# Altium PCB FMC_SDR_XFE.PcbDoc (part 1 of 4) (continued)
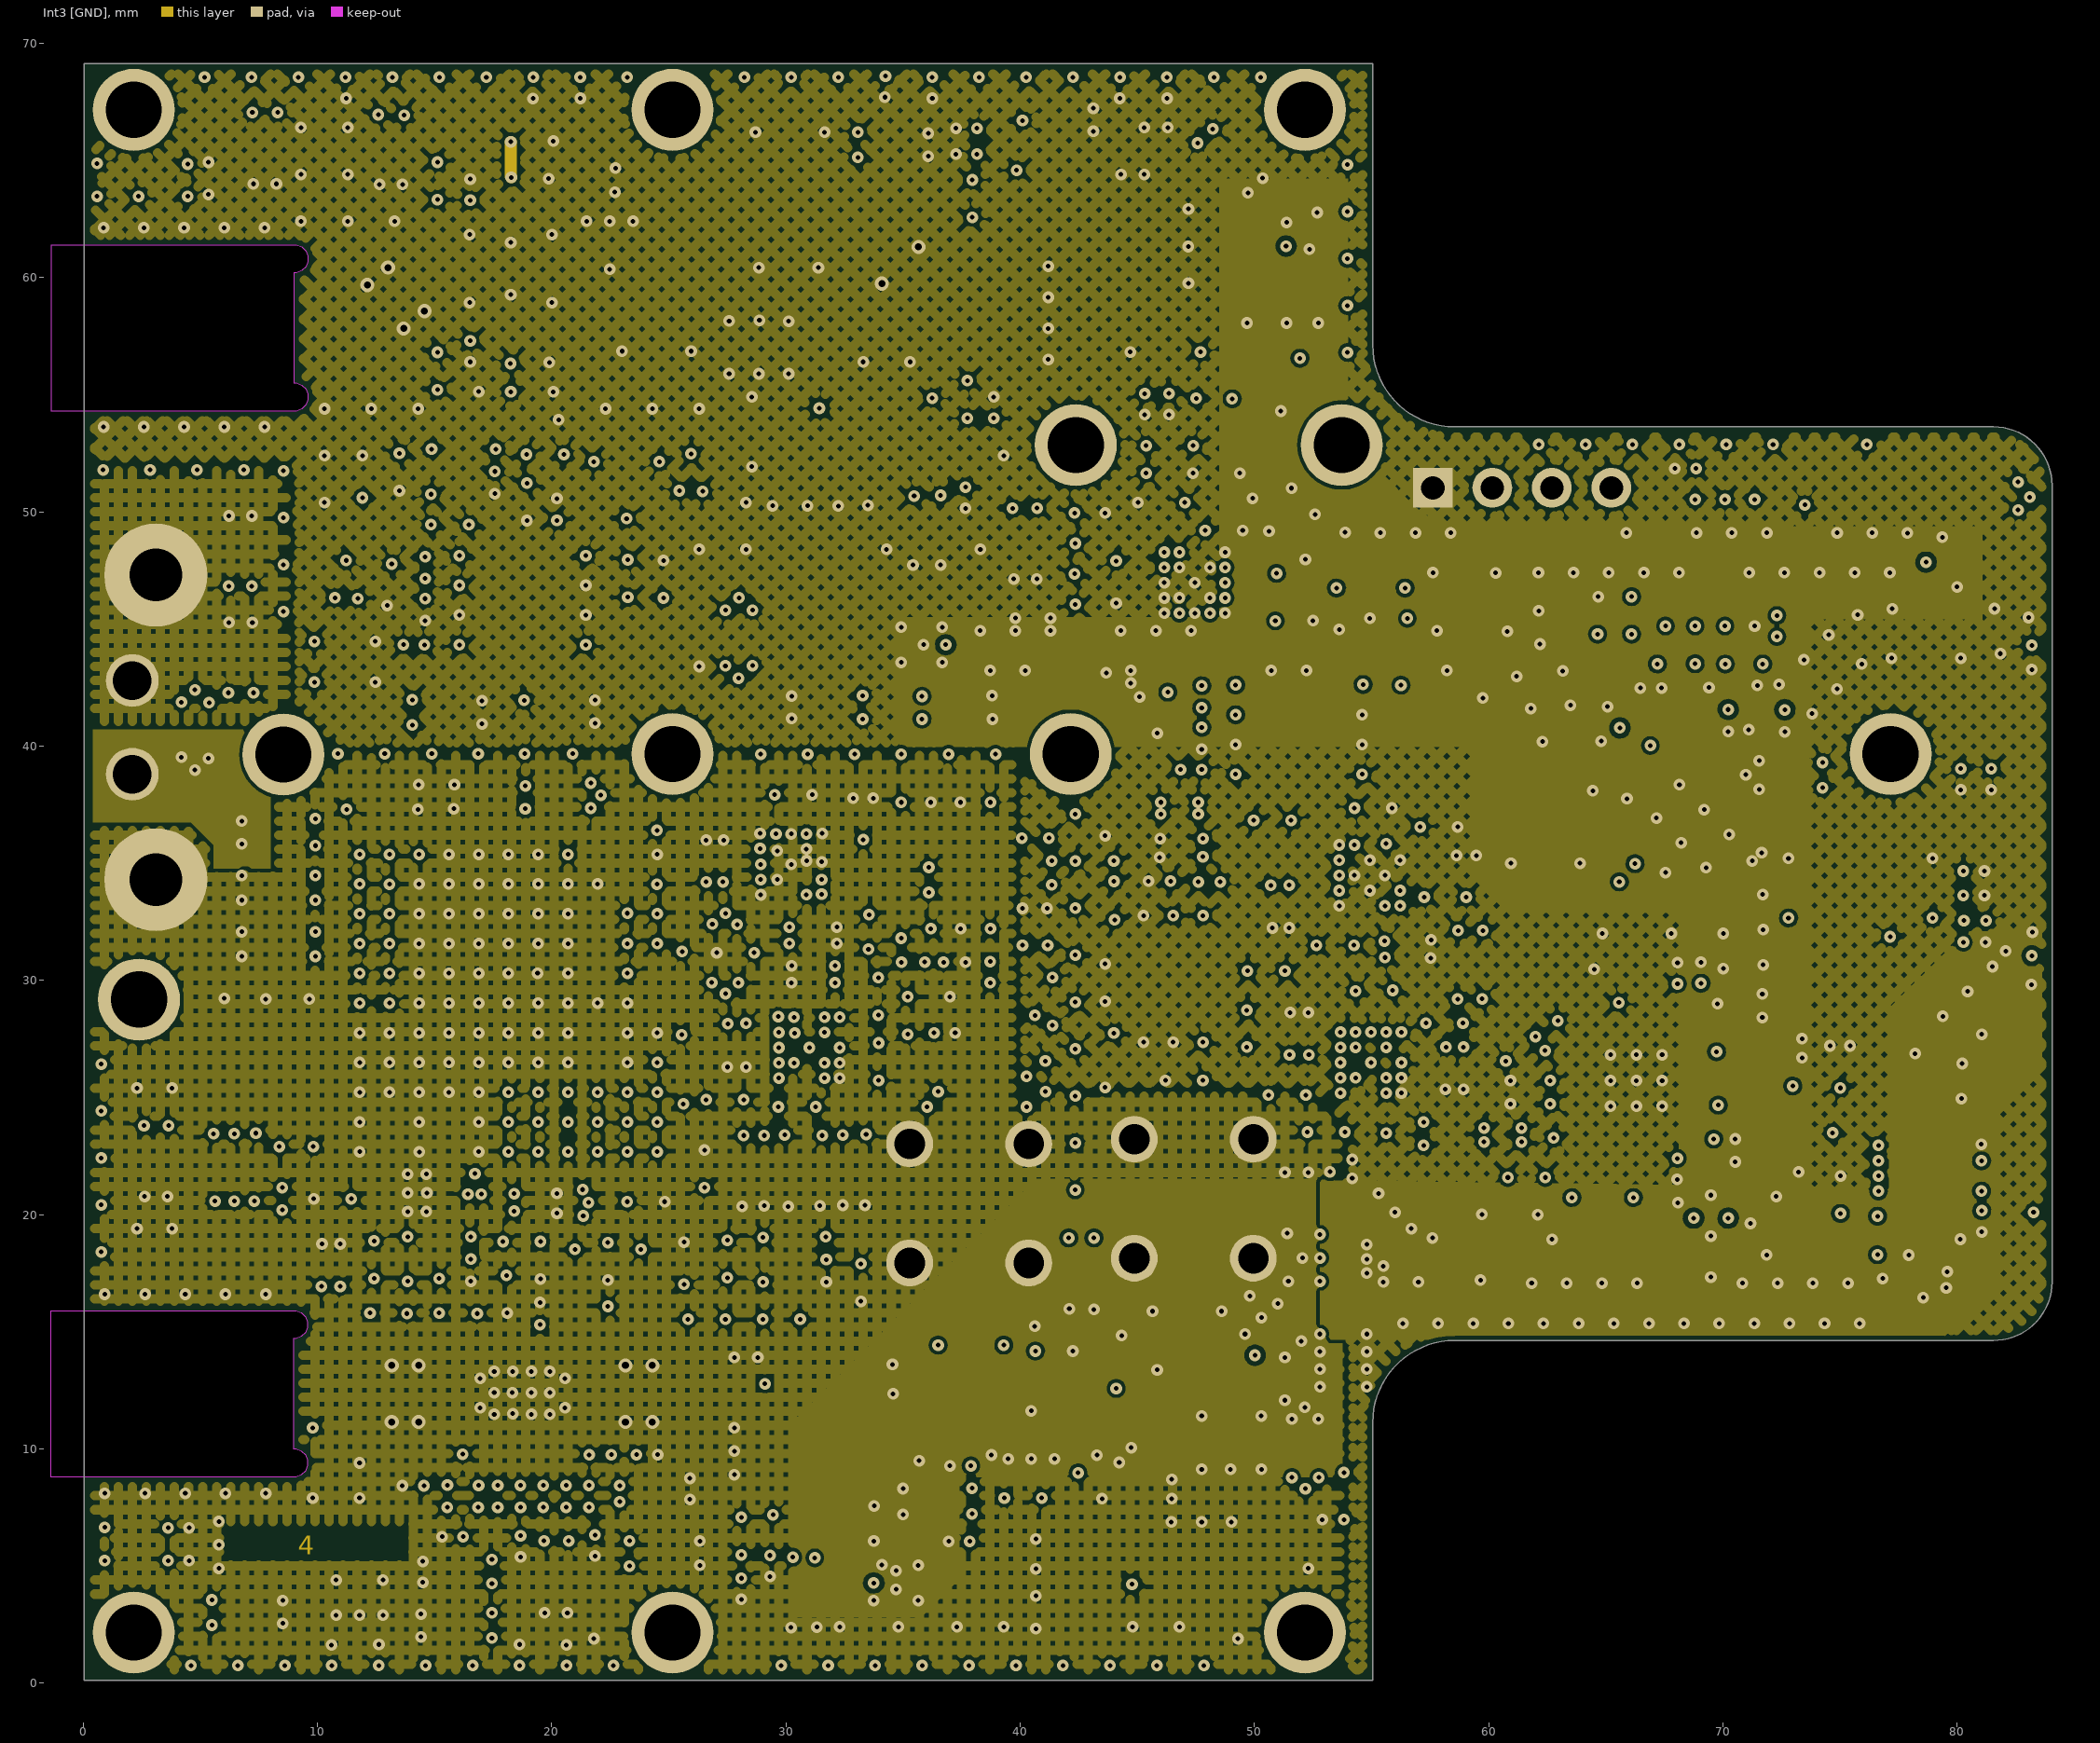
[diagram p4: Int3 [GND]]
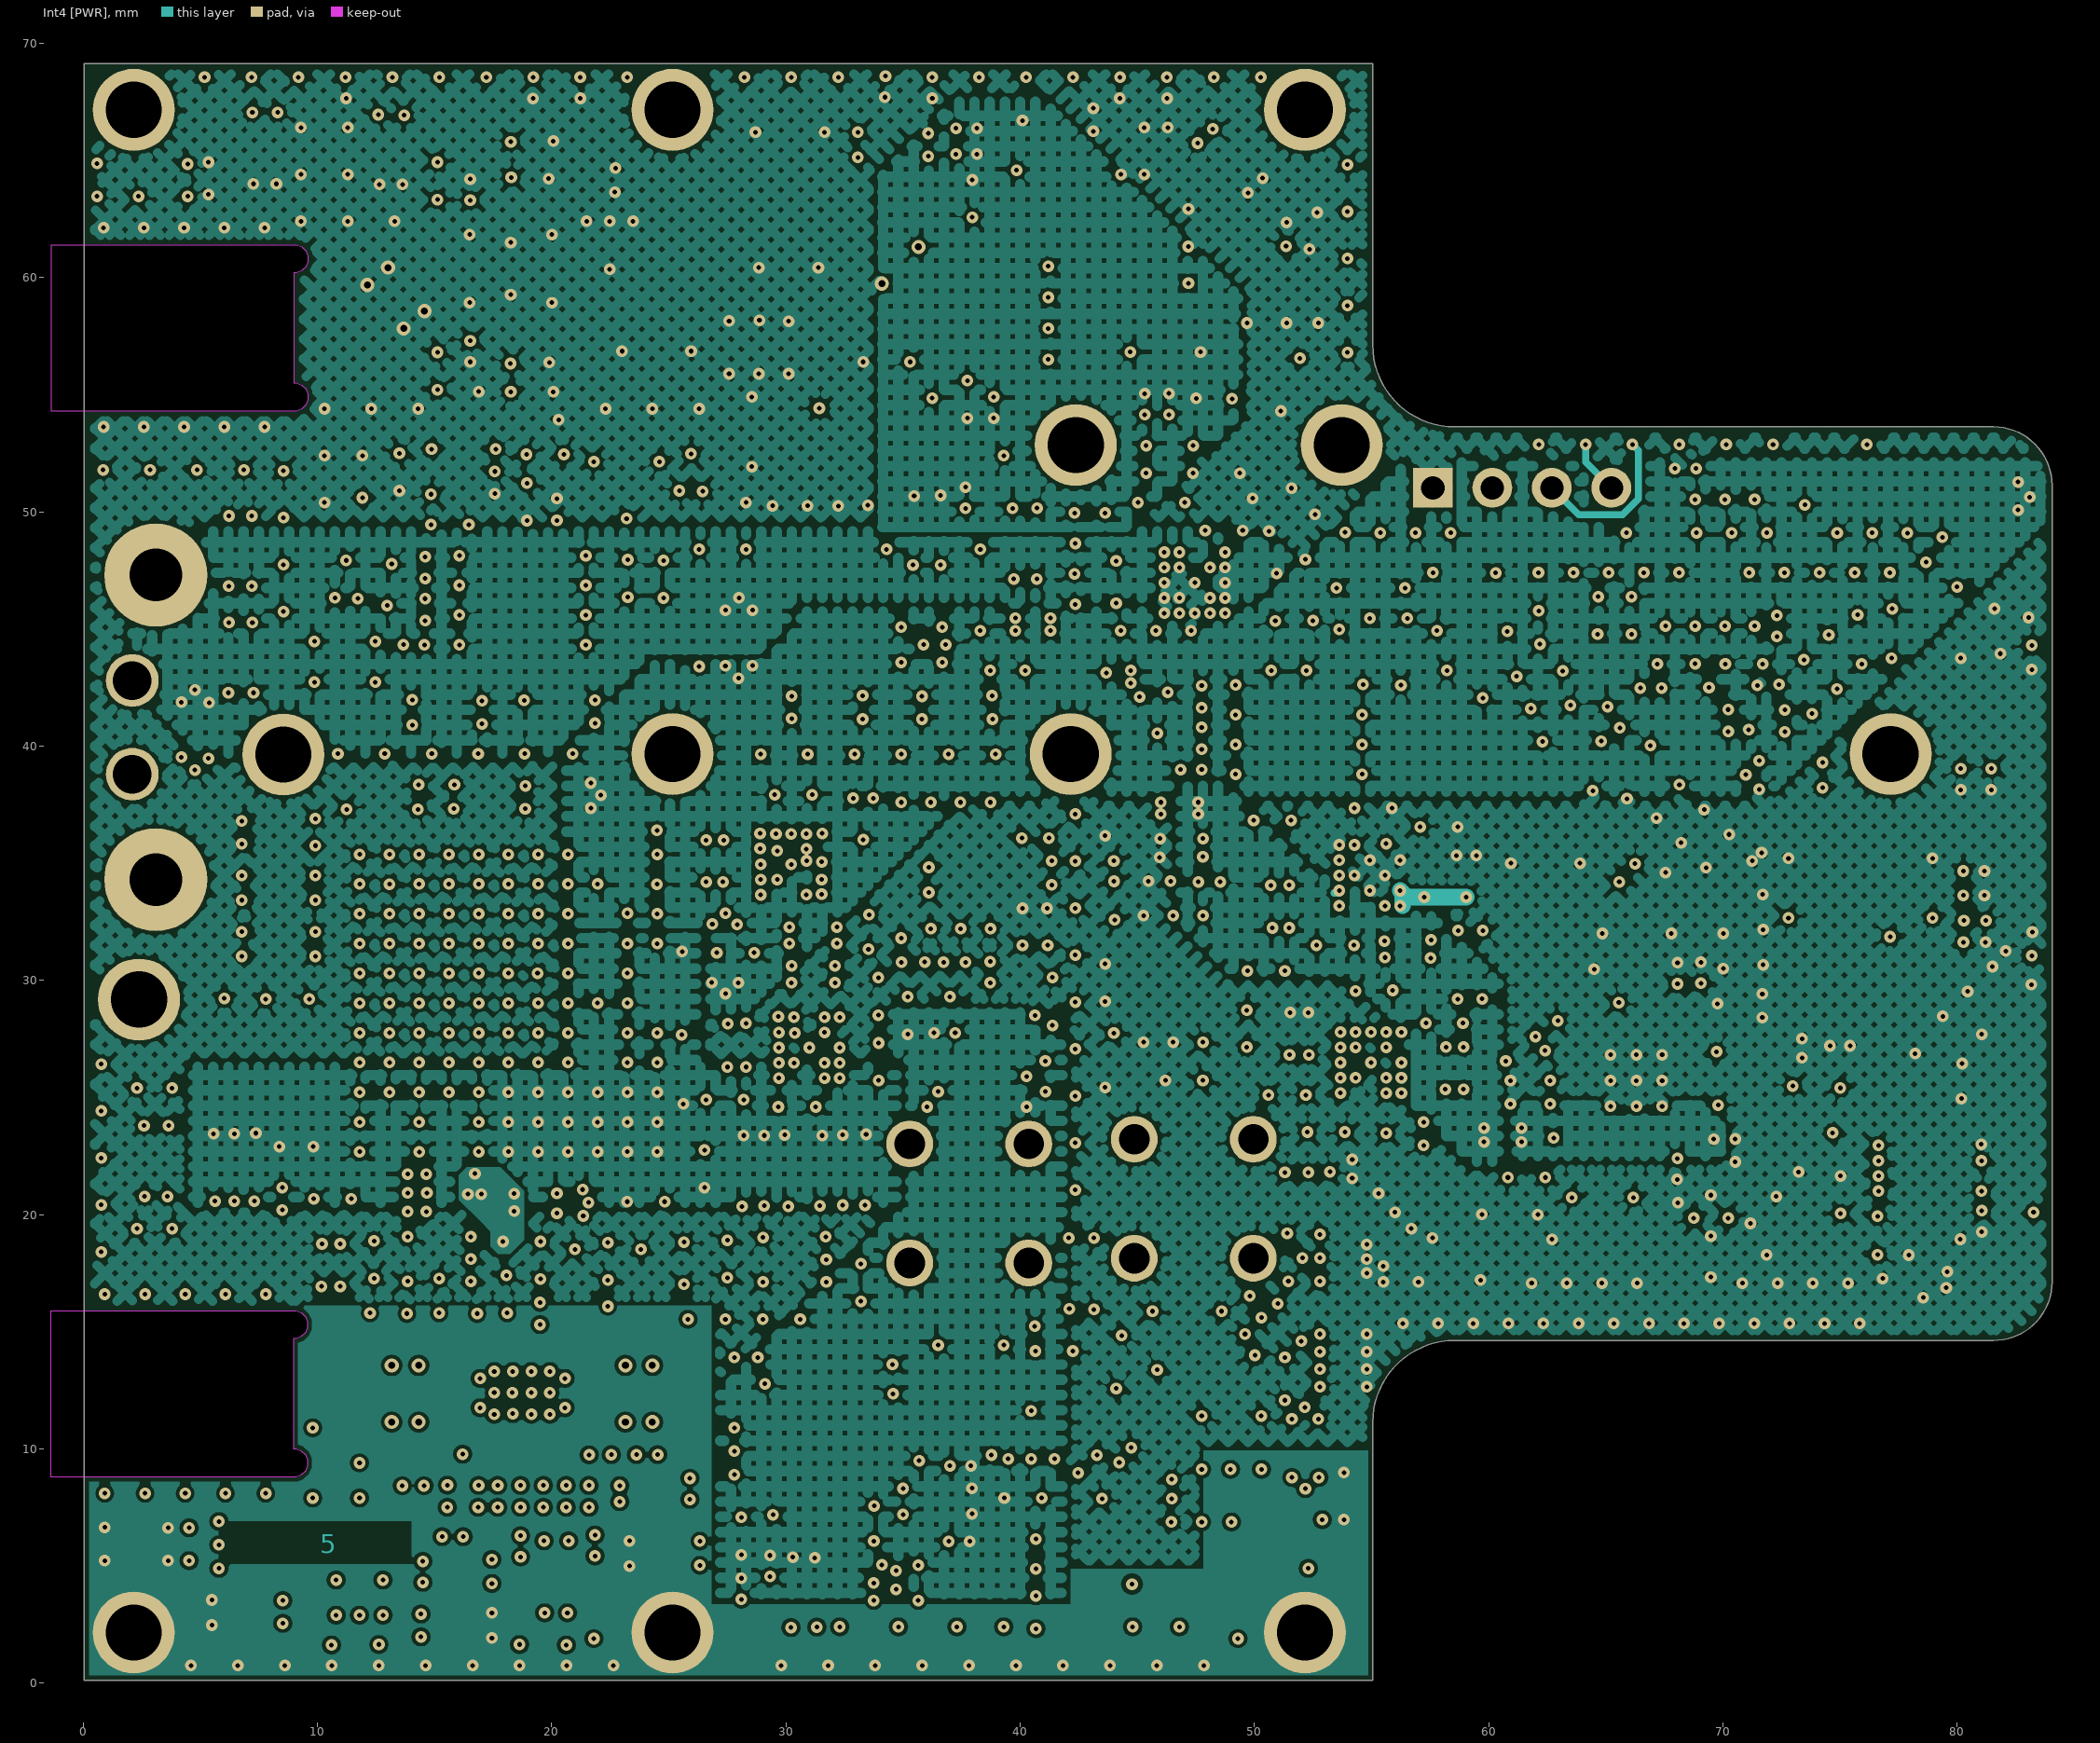
[diagram p5: Int4 [PWR]]
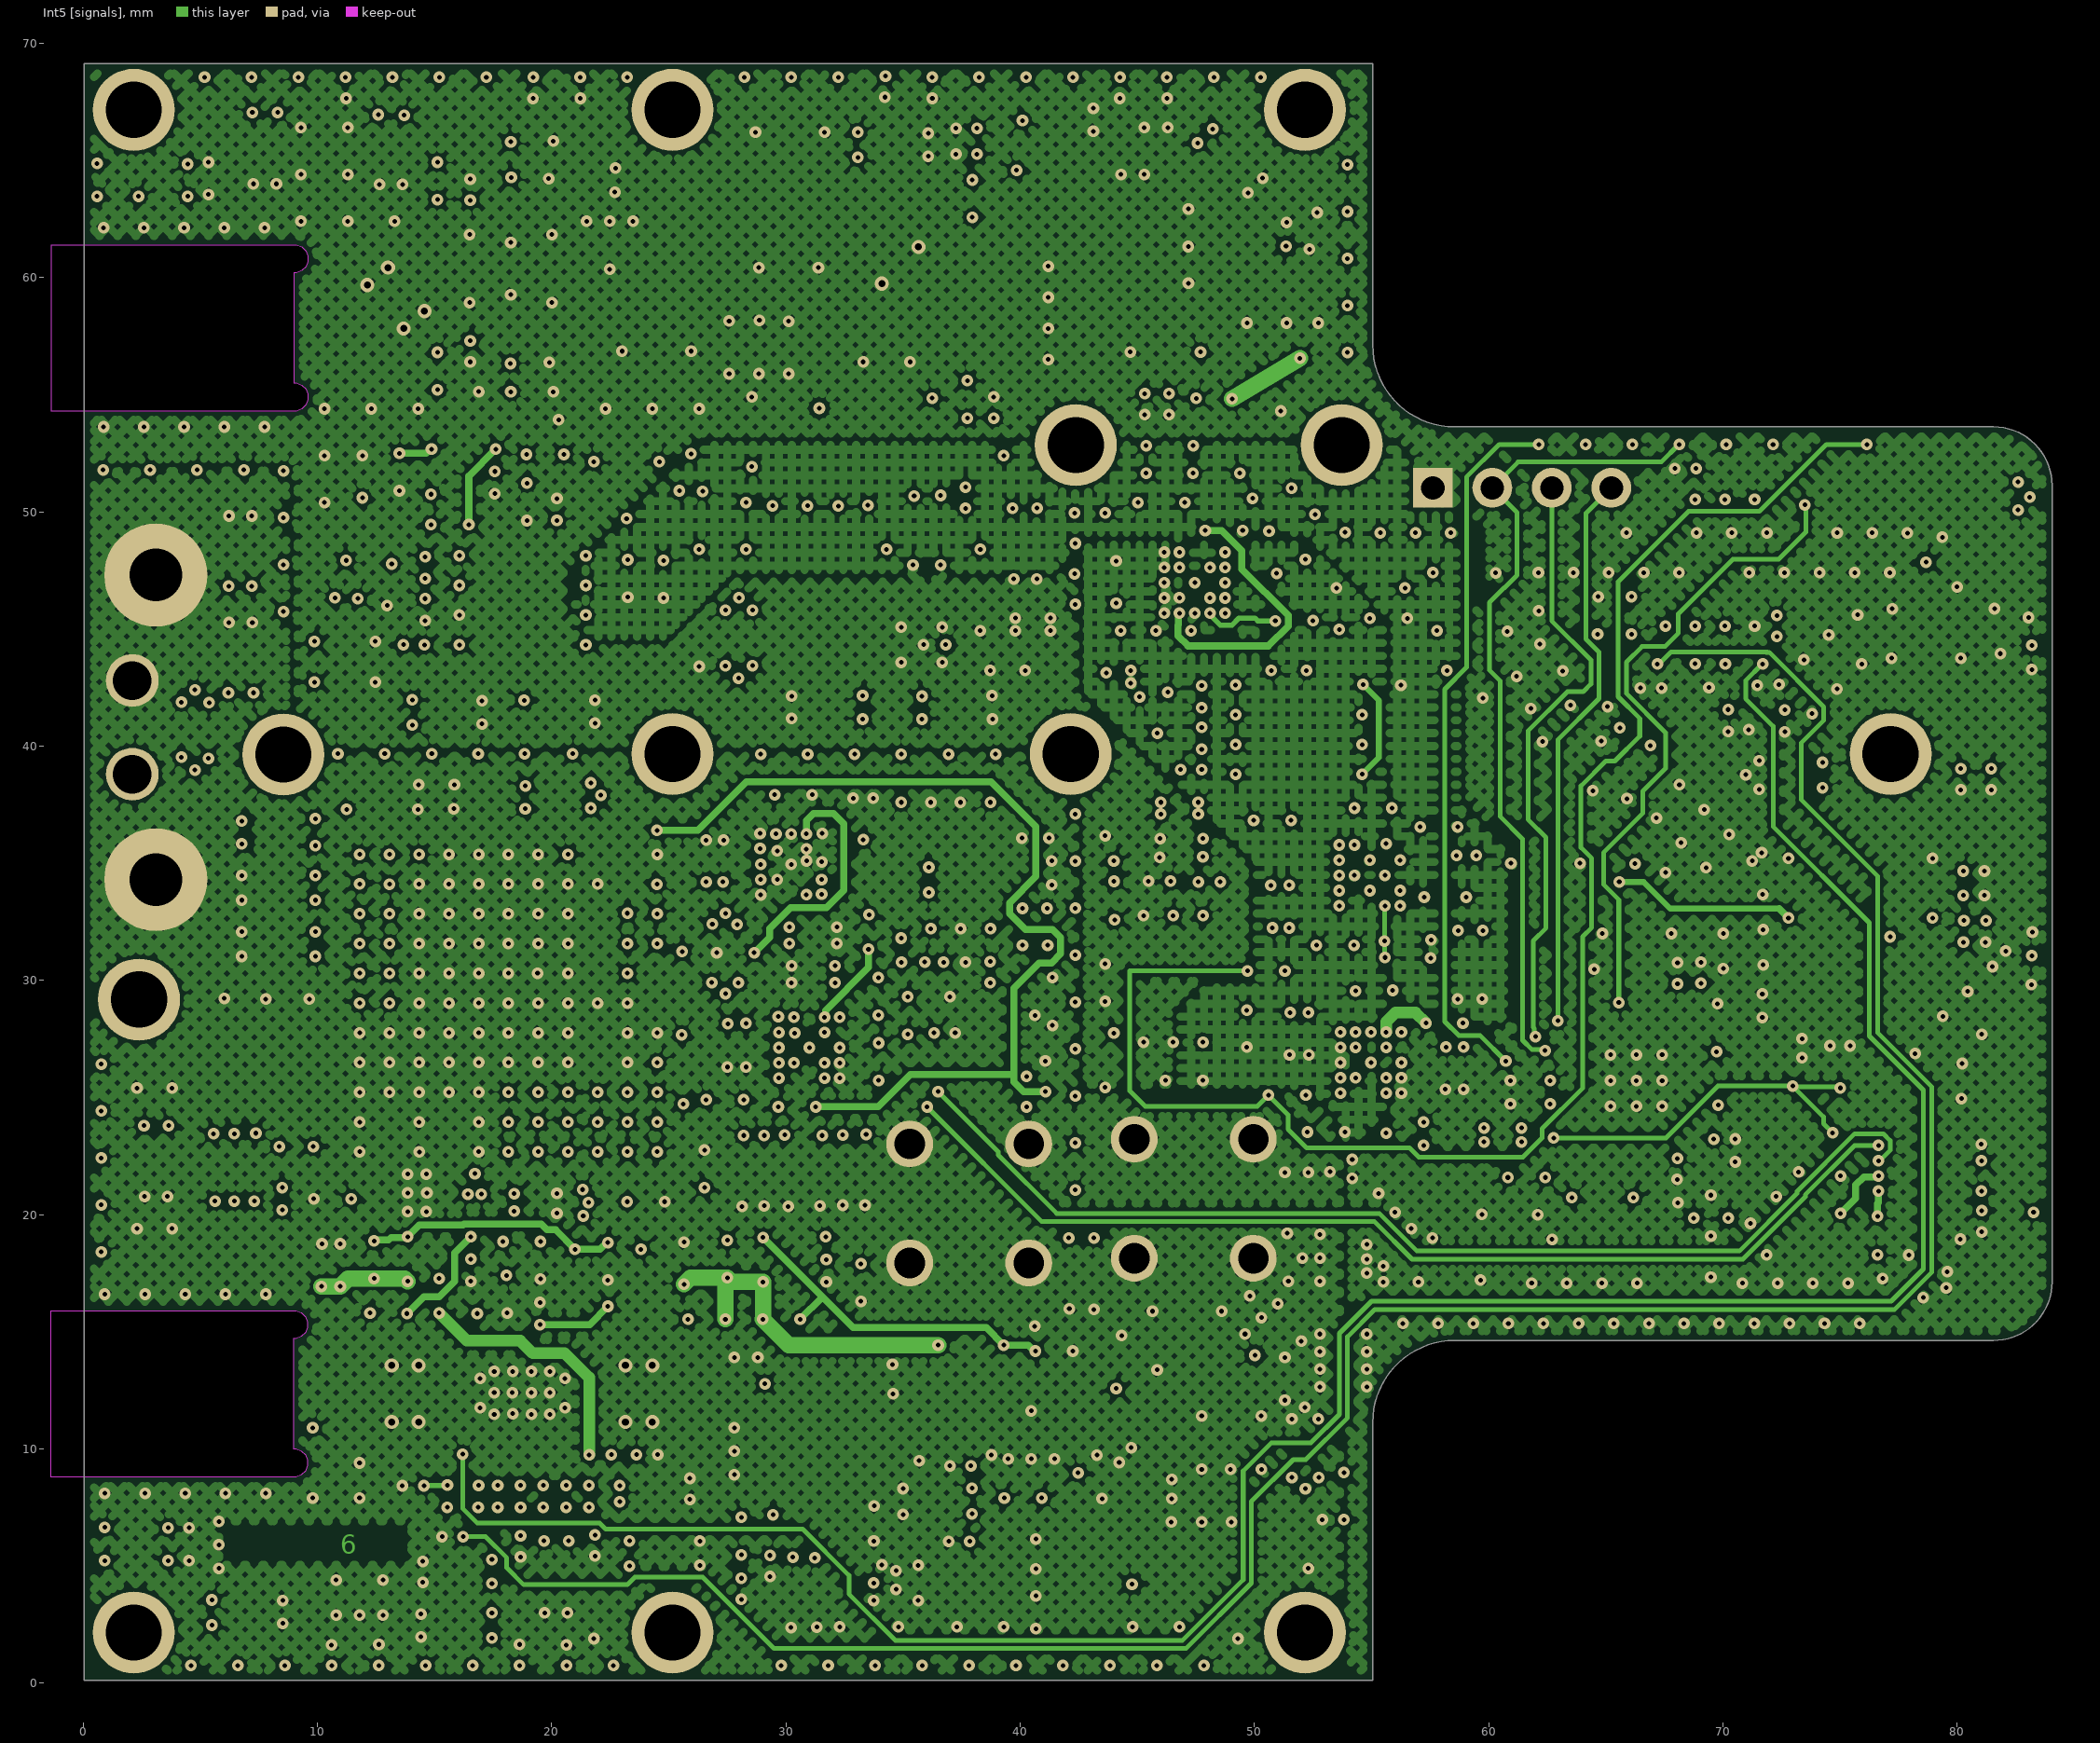
[diagram p6: Int5 [signals]]